# Altium PCB 2019.06.16.master.PcbDoc (part 2 of 5) (continued)
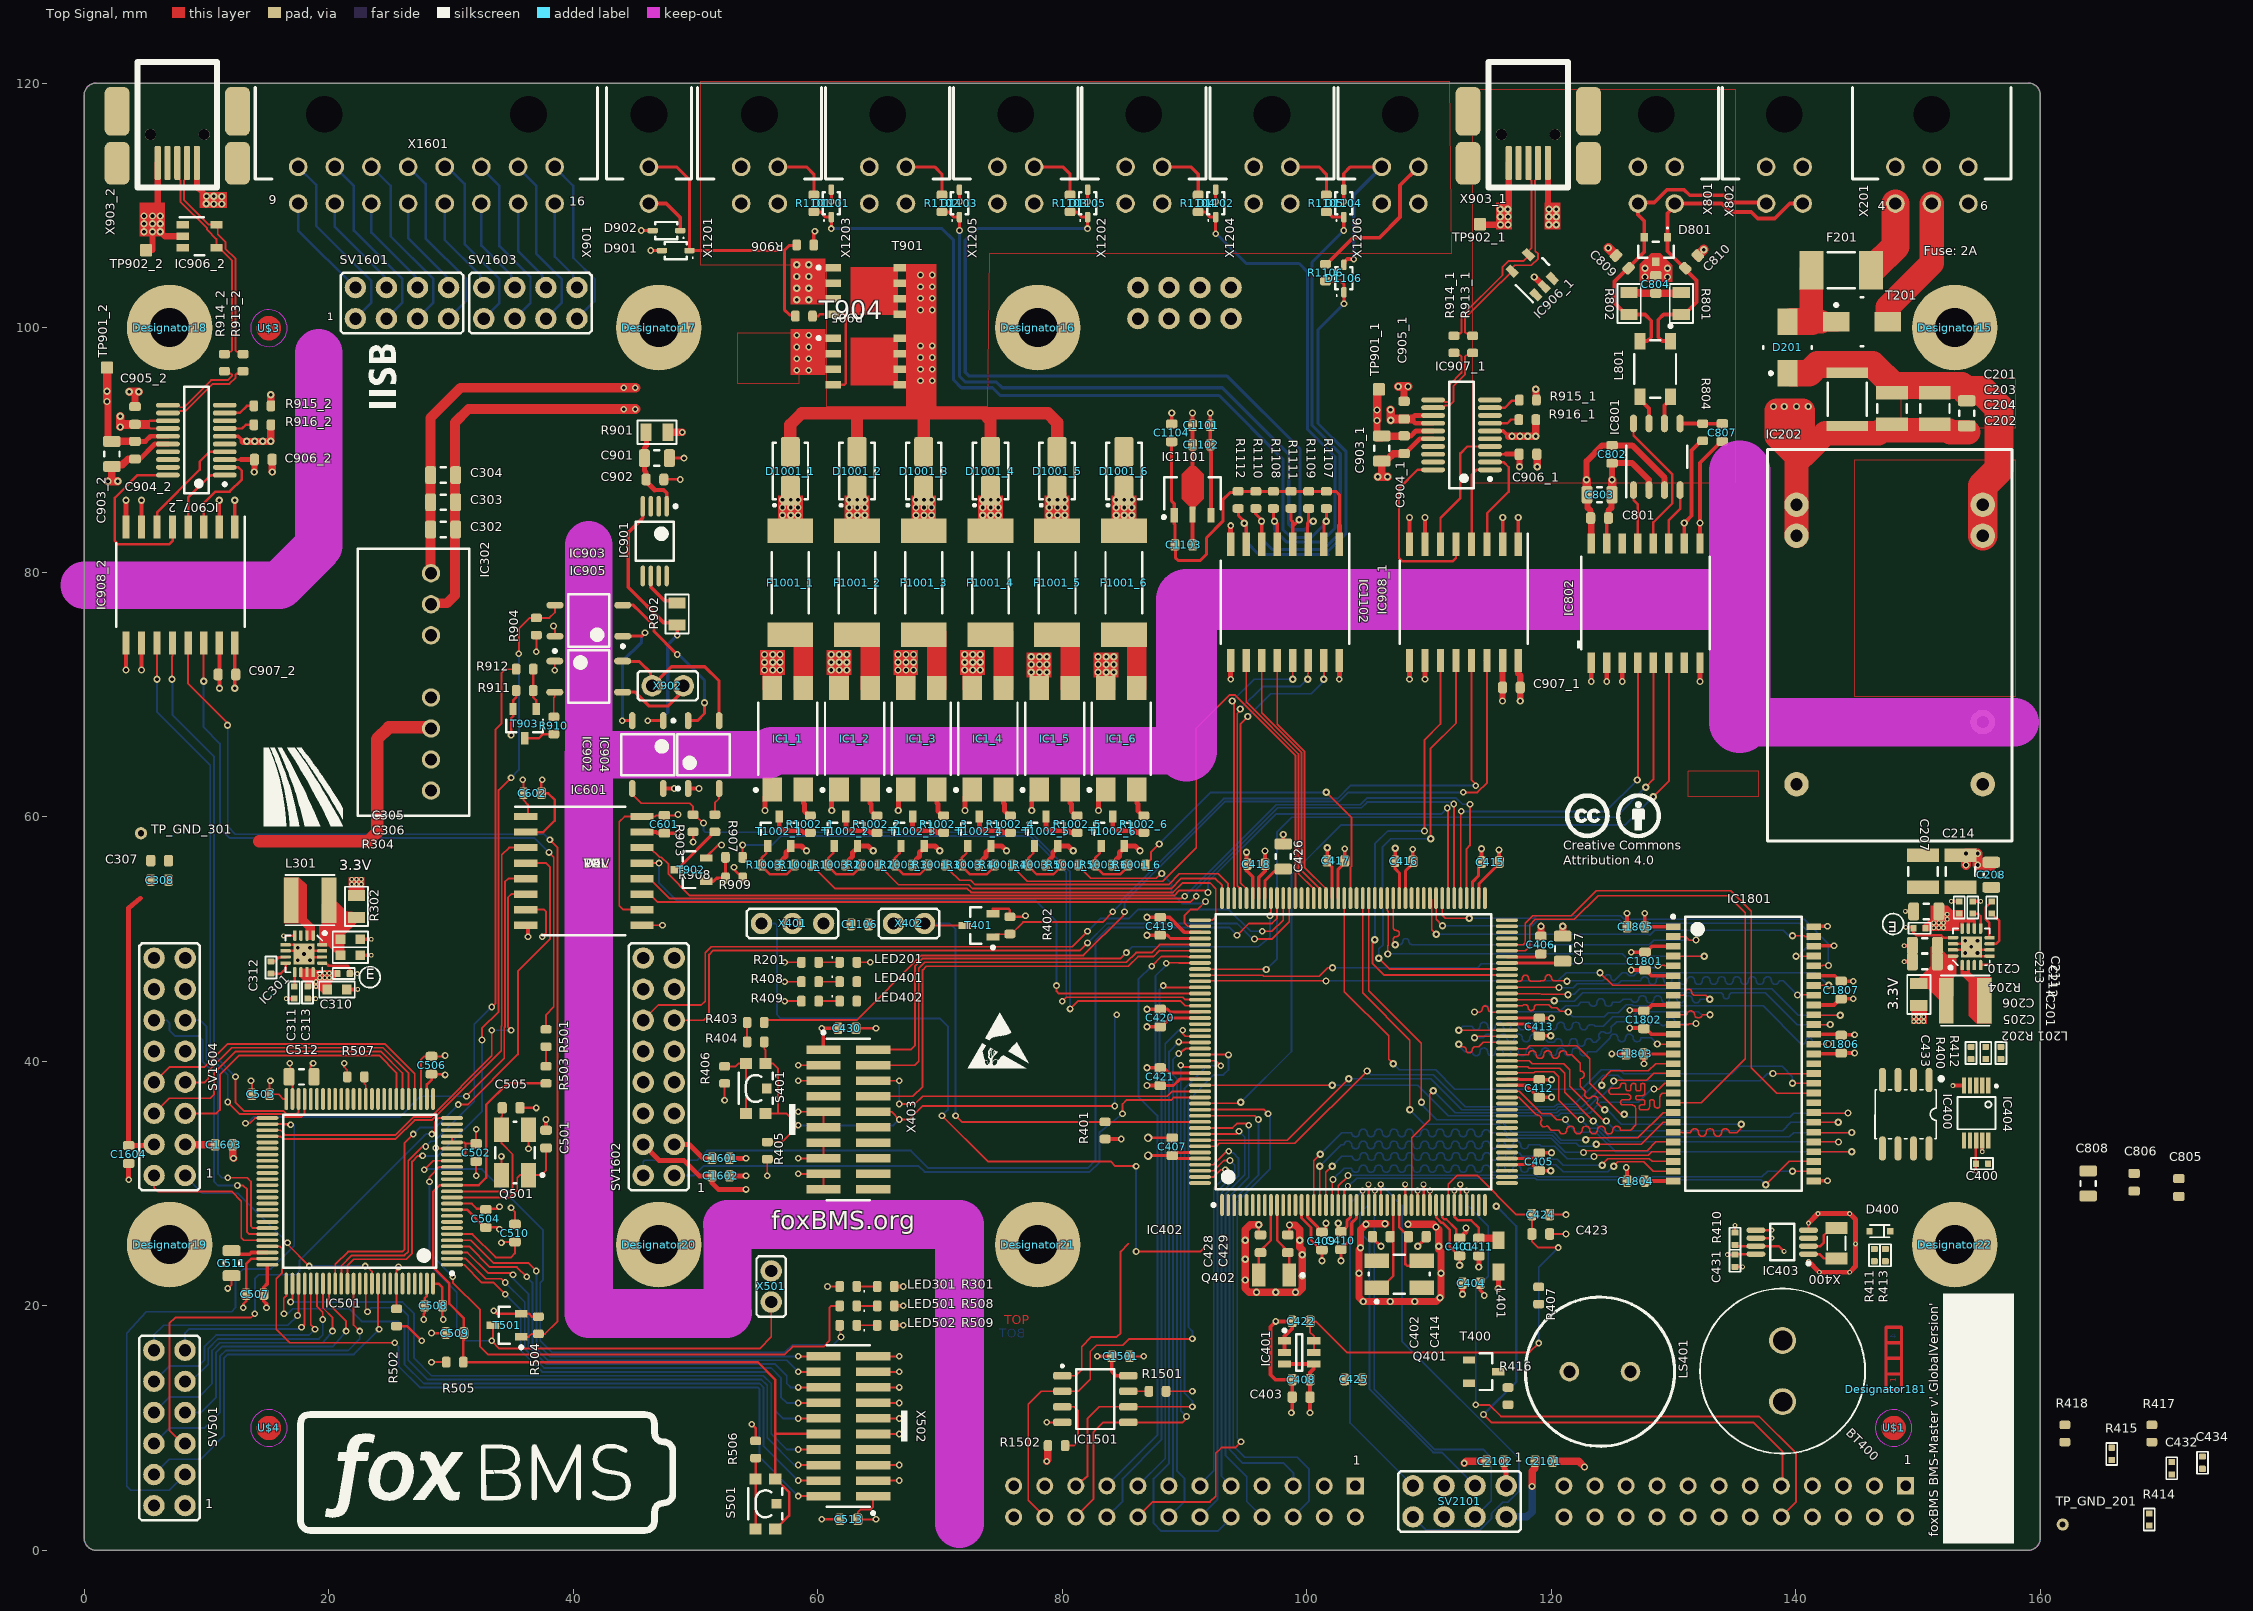
[diagram p0: Top Signal view]
## Part data (continued)
D400: library part DIODE_SCHTKY, "'''BAT41 Schottky diode, small signal''' / - If(avg) = 200mA, Vf(max) = 1V@200mA / - Vr(max) = 100V, Ir = 100nA@50V, 25deg / - SOD-523 package, RoHS compliant", DBDesc="do not populate, RoHS compliant", ID=908, Preffered ID=20995
D801: library part CMP-2000-04916-1, "CAN Bus ESD Protection Diode, 200 W, 24 V, -65 to 150 degC, 3-Pin SOT23, RoHS, Tape and Reel", Breakdown Voltage=27.8V, Breakdown Voltage Max=30.3V, Breakdown Voltage Min=25.4V, Breakdown Voltage Range=25.4Vto30.3V, Capacitance Cd @ Vr Max=17pF, Capacitance Cd @ Vr Typ=11pF, Clamping Voltage @ 8/20µs Max=70V, Diode Case Style=SOT-23, Manufacturer="NXP Semiconductors", Operating Temperature Max=150degC, Operating Temperature Min=-65degC, Operating Temperature Range=-65degCto+150degC, Peak Pulse Current Ippm=3A, Peak Pulse Power=200W, Reverse Stand-Off Voltage Vrwm=24V, Breakover Voltage Min=25.4V, Clamping Voltage Vc Max=70V, Datasheet URL=https://datasheet.ciiva.com/22692/109497-22692467.pdf, Datasheet Version="Rev. 04, 02/2008", Diode Configuration=Bidirectional, Diode Type=BidirectionalTVS, Manufacturer URL=http://www.nxp.com/, No. of Pins=3, Package / Case=SOT-23, SMD Marking=AN, Stand-off Voltage=24V, SVHC=NoSVHC(20-Jun-2013), Termination Type=SMD, TVS Polarity=Bidirectional
D901 D902: "Zener Diode", Breakdown Voltage=12V, Manufacturer="ON Semiconductor", PnP Package=SOD323, Supplier Part Number 1=1431191, Automotive Qualified=True, ComponentLink1Description=Datasheet, ComponentLink1URL=http://www.farnell.com/datasheets/1876691.pdf, Part Name=MM3Z12VT1G, Part Number=MM3Z12VT1G, Supplier 1=Farnell, Supplier 2=Digikey, Supplier 3=Mouser, Supplier Part Number 2=MM3Z12VT1GOSCT-ND, Supplier Part Number 3=863-MM3Z12VT1G
D1001_1 D1001_2 D1001_3 D1001_4 D1001_5 D1001_6: "Standard Recovery Diode, 100 V, 1 A, Single, 1 V, 2 µs, 30 A", Breakdown Voltage=100V, Continuous Forward Current=1A, Manufacturer="ON Semiconductor", Operating Temperature="-65°C - +175°C", Part Name=GF1B, Supplier Part Number 1=1467477, Automotive Qualified=False, ComponentLink1Description=Datasheet, ComponentLink1URL=http://www.farnell.com/datasheets/2303965.pdf, Part Number=d_si_sma_1A, Supplier 1=Farnell
D1101 D1102 D1103 D1104 D1105 D1106: "TVS Diode, CDSOD323 Series, Unidirectional, 5 V, 18.3 V, SOD-323, 2 Pins", Breakdown Voltage=6V, Manufacturer=Bourns, Operating Temperature="-55°C - +150°C", Supplier Part Number 1=2341914, Automotive Qualified=False, ComponentLink1Description=Datasheet, ComponentLink1URL=http://www.farnell.com/datasheets/1845299.pdf, Part Name=CDSOD323-T05, Part Number=CDSOD323-T05, Supplier 1=Farnell
Designator15 Designator16 Designator17: library part Hole_3.2_Iso
Designator181: library part Layer_Marker_4_Layers
F201: "Littlefuse NANO SLO-BLO Fuse 2A 8.20A²s 0452002.MRL", Manufacturer=Littlefuse, Operating Temperature="-55°C - +125°C", Supplier Part Number 1=2383284, Automotive Qualified=False, ComponentLink1Description=Datasheet, ComponentLink1URL=http://www.farnell.com/datasheets/2108446.pdf, Part Number=fuse_2A_0452002.MRL, Supplier 1=Farnell
F1001_1 F1001_2 F1001_3 F1001_4 F1001_5 F1001_6: "Schurter SMD Fuse 4.0A UMT 3403.0172.11", Manufacturer=Schurter, Operating Temperature="-55°C - +125°C", Supplier Part Number 1=486-1253-ND, Automotive Qualified=False, ComponentLink1Description="Catalog Page Digikey", ComponentLink1URL=http://dkc3.digikey.com/PDF/DE2011-DE/P2352.pdf, Part Number=fuse_4A_3403.0172.11, Supplier 1=Digikey, Supplier 2=Mouser, Supplier Part Number 2=693-3403.0172.11
IC1_1 IC1_2 IC1_3 IC1_4 IC1_5 IC1_6: "PhotoMOS GU 1 Form A, 60 V Load Voltage, 1.1 A Continuous Load Current, -40 to 85 degC, 4-Pin DIP(SMT), Tube, RoHS", Continuous Load Current="1.1 A", Load Voltage="60 V", Manufacturer=Panasonic, On Resistance (Typ)="0.34 Ohm", ComponentLink1Description="Manufacturer URL", ComponentLink1URL=http://www3.panasonic.biz/ac/ae/index.jsp, ComponentLink2Description=Datasheet, ComponentLink2URL=http://www3.panasonic.biz/ac/e_download/control/relay/photomos/catalog/semi_eng_gu1a_aqy21_g.pdf, ComponentLink3Description="Package Specification", ComponentLink3URL=http://www3.panasonic.biz/ac/e_download/control/relay/photomos/catalog/semi_eng_dimensions.pdf?f_cd=401560, DatasheetVersion=201404-T, Mounting Technology="Surface Mount", PackageDescription="4-Pin Surface Mount Terminal Package, Body 4.78 x 6.4 mm, Pitch 2.54mm", PackageReference=DIP4(SMT), PackageVersion="ASCTB67E, 04/2014", Packing=Tube, PartNumber=AQY212GHA, Pb-Free=True, RoHS=True, Series="PhotoMOS GU 1 Form A"
IC201 IC301: library part TPS62090, "'''TI TPS62091 Integrated Sync. Buck Converter''' / - fsw=1.4/2.8MHz / - Vin = 2.5-6V, Vout=3.3V, Iout=3A / - 3x3mm QFN-16, RoHS compliant", DBDesc="'''TI TPS62091 Integrated Sync. Buck Converter''' / - fsw=1.4/2.8MHz / - Vin = 2.5-6V, Vout=0.8-Vin, Iout=3A / - 3x3mm QFN-16, RoHS compliant", ID=21555
IC202: "Murata Isolated 6W 4:1 Input Single Output DC/DC Converter", Manufacturer="Murata Power Solutions Inc.", Operating Temperature="-40°C - +85°C", Supplier Part Number 1=811-2109-5-ND, Automotive Qualified=False, ComponentLink1Description=Datasheet, ComponentLink1URL=https://power.murata.com/data/power/ncl/kdc_ncs6.pdf, ComponentLink2Description="3D PDF", ComponentLink2URL=https://power.murata.com/3d/dcdc/mps_dcdc_ncs6s_a.pdf, Part Number=NCS6S1205C, Supplier 1=Digikey
IC302: library part Recom_RS-2405SZ/H3, "Isolating DC/DC Converter", Manufacturer=Recom, Supplier Part Number 1=945-1552-5-ND, Automotive Qualified=False, ComponentLink1Description=Datasheet, ComponentLink1URL=https://www.recom-power.com/pdf/Econoline/RS-S_D_Z.pdf, Part Number=Recom_RS-2405SZ/H3, Supplier 1=Digikey, Supplier 2=Farnell, Supplier 3=Mouser, Supplier Part Number 2=1893731, Supplier Part Number 3=919-RS-2405SZ/H3
IC400: library part "Atmel Serial EEPROM 64K_0", "Microchip 24AA02E48-I/SN, 2kbit (256x8) CMOS MAC-addressable I2C EEPROM, 1.8V, SO-8, non-selectable address (fixed at 1010 ***X), RoHS compliant", DBDesc="Microchip 24AA02E48-I/SN, 2kbit (256x8) CMOS MAC-addressable I2C EEPROM, 1.8V, SO-8, non-selectable address (fixed at 1010 ***X), RoHS compliant", ID=17759
IC401: library part CMP-0784-00366-1, "Micropower, High Accuracy Voltage Reference, 2.5 V Output, 2.7 to 5.5 V Supply, Industrial, 6-pin SOT23 (RJ-6), Reel", Manufacturer="Analog Devices", Operating Temp Range="-40 to 125 degC", Code_JEDEC=MO-178-AB, ComponentLink1Description="Manufacturer URL", ComponentLink1URL=http://www.analog.com/en/index.html, ComponentLink2Description=Datasheet, ComponentLink2URL=http://www.analog.com/static/imported-files/data_sheets/ADR3412_ADR3420_ADR3425_ADR3430_ADR3433_ADR3440_ADR3450.pdf, ComponentLink3Description="Package Specification", ComponentLink3URL=http://www.analog.com/static/imported-files/packages/PKG_PDF/SOT-23(RJ)/RJ_6.pdf, ComponentLink4Description="URL Link1", ComponentLink4URL="Product URL:http://www.analog.com/en/special-linear-functions/voltage-references/adr3425/products/product.html", DatasheetVersion="Rev. B", Max V Supply (V)=5.5, Min V Supply (V)=2.7, Mounting Technology="Surface Mount", PackageDescription="6-Pin Small Outline Transistor Package, Body 2.9 x 1.6 mm, Pitch 0.95 mm", PackageReference=RJ-6, PackageVersion="121608-A, 12/2008", Packing=Reel, PartNumber=ADR3425ARJZ-R2, Ref Out TC (ppm/C)=2.5, Vout=2.5V
IC402: library part CMP-0243-00078-2, "ARM Cortex-M4 32-bit MCU+FPU, 225 DMIPS, 2048 kB Flash, 256 kB Internal RAM, 140 I/Os, 176-pin LQFP, -40 to 85 degC, Tray", I/Os (High Current)=140, Manufacturer=STMicroelectronics, Operating Frequency(F) (Processor speed) (MHz)=180, Supply Voltage(Vcc) max (V)=3.6, Supply Voltage(Vcc) min (V)=1.8, ComponentLink1Description="Manufacturer URL", ComponentLink1URL=http://www.st.com/web/en/home.html, ComponentLink2Description=Datasheet, ComponentLink2URL=http://www.st.com/st-web-ui/static/active/en/resource/technical/document/data_brief/DM00053488.pdf, ComponentLink3Description="Package Specification", ComponentLink3URL=http://www.st.com/st-web-ui/static/active/en/resource/technical/document/datasheet/DM00035129.pdf, Core="ARM Cortex-M4", D/A Converter=2x12-bit, DatasheetVersion="Rev. 2", FLASH Size (Prog) (kB)=2048, Internal RAM Size (kB)=256, Mounting Technology="Surface Mount", PackageDescription="176-Pin Low Profile Quad Flat Package, 24 x 24 mm Body, 0.5 mm Pitch", PackageReference=LQFP176, PackageVersion="Rev. 4, 06/2013", Packing=Tray, PartNumber=STM32F429IIT6
IC501: library part CMP-0243-00030-2, "ARM Cortex-M4 32-bit MCU+FPU, 225 DMIPS, 2048 kB Flash, 256 kB Internal RAM, 82 I/Os, 100-pin LQFP, -40 to 85 degC, Tray", I/Os (High Current)=82, Manufacturer=STMicroelectronics, Operating Frequency(F) (Processor speed) (MHz)=180, Supply Voltage(Vcc) max (V)=3.6, Supply Voltage(Vcc) min (V)=1.8, ComponentLink1Description="Manufacturer URL", ComponentLink1URL=http://www.st.com/web/en/home.html, ComponentLink2Description=Datasheet, ComponentLink2URL=http://www.st.com/st-web-ui/static/active/en/resource/technical/document/data_brief/DM00053488.pdf, ComponentLink3Description="Package Specification", ComponentLink3URL=http://www.st.com/st-web-ui/static/active/en/resource/technical/document/data_brief/DM00071938.pdf, Core="ARM Cortex-M4", D/A Converter=2x12-bit, DatasheetVersion="Rev. 2", FLASH Size (Prog) (kB)=2048, Internal RAM Size (kB)=256, Mounting Technology="Surface Mount", PackageDescription="100-Pin Low Profile Quad Flat Package, 14 x 14 mm Body, 0.5 mm Pitch", PackageReference=LQFP100, PackageVersion="Rev. 1, 06/2013", Packing=Tray, PartNumber=STM32F429VIT6
IC601 IC802 IC906_1 IC906_2 IC908_1 IC908_2 IC1102: "Imported", Manufacturer="Texas Instruments", RefDes=RefDes, TYPE=TYPE
  IC601 IC908_1 IC908_2: PartNumber=ISO7741DWR
  IC802: PartNumber=ISOW7841DWER
  IC906_1 IC906_2: PartNumber=ESDS302DBVR
  IC1102: PartNumber=ISO7760DWR
IC801: "Imported", Manufacturer="Texas Instruments", PartNumber=TCAN1042HGVDQ1, RefDes=RefDes, TYPE=TYPE
IC901: library part CMP-0324-00209-2, "Adjustable Regulator with 3.7 to 38 V Input and 1.2 to 32 V Output, 0 to 125 degC, 8-Pin TSSOP (PW), Green (RoHS & no Sb/Br)", Manufacturer="Texas Instruments", Code_JEDEC=MO-153, ComponentLink1Description=Datasheet, ComponentLink1URL=http://www.ti.com/general/docs/lit/getliterature.tsp?genericPartNumber=LM317L&fileType=pdf, ComponentLink2Description="Package Specification", ComponentLink2URL=http://www.ti.com/litv/pdf/mtss001d, ComponentLink3Description="URL Link1", ComponentLink3URL="Samples URL:http://www.ti.com/product/lm317l#samples", DatasheetVersion=SLCS144D, Eco-Plan="Green (RoHS & no Sb/Br)", Iout(Max)(A)=0.1, Mounting Technology="Surface Mount", PackageDescription="8-Pin Plastic Thin Small Outline Package 3 x 4.4 mm Body ,0.65 mm Pitch", PackageReference=PW8, PackageVersion="revG, Feb-2011", PartId=1, PartNumber=LM317LCPWR, Vin(Max)(V)=38, Vin(Min)(V)=3.7, Vout(Max)(V)=32, Vout(Min)(V)=1.2
IC902 IC903 IC904 IC905: "Single-Pole, Normally Open 4-Pin SOP OptoMOS Relay", Manufacturer=CLARE, Operating Temperature="-40°C - +85°C", Supplier Part Number 1=1653755, Automotive Qualified=False, ComponentLink1Description=Datasheet, ComponentLink1URL=http://www.farnell.com/datasheets/1924621.pdf, Part Name=CPC1008N, Part Number=CPC1008N, Supplier 1=Farnell
IC907_1 IC907_2: library part CMP-0248-00024-2, "USB to Full-Handshake UART Interface Chip, UHCI/OHCI/EHCI Compatible, USB 2.0 Compatible, -40 to +85 degC, 20-Pin SSOP, Pb-Free, Tape and Reel", Manufacturer=FTDI, Code_JEDEC=MO-137-AD, ComponentLink1Description="Manufacturer URL", ComponentLink1URL=http://www.ftdichip.com/, ComponentLink2Description=Datasheet, ComponentLink2URL=http://www.ftdichip.com/Support/Documents/DataSheets/ICs/DS_FT231X.pdf, ComponentLink3Description="FT231X Product Page", ComponentLink3URL=www.ftdichip.com/Products/ICs/FT231X.html, DatasheetVersion="ver 1.2, Feb-2013", PackageDescription="20-Pin Small Outline Package, 8.6 x 3.9 mm Body, 0.635 mm Pitch", PackageReference=SSOP-20, PackageVersion=Feb-13, PartNumber=FT231XS-R, RevisionNote="DatasheetVersion updated to 1.2 Feb-2013"
IC1101: library part CMP-2000-07341-1, "Positive-Voltage Regulator, 100 mA, 0 to 125 degC, 3-Pin SOT-89 (PK), Green (RoHS & no Sb/Br), Tape and Reel", Input Voltage MAX=20V, Input Voltage MIN=7V, Manufacturer=TexasInstruments, Maximum Operating Temperature=+125C, Minimum Operating Temperature=0C, Output Current=100mA, Output Voltage=5V, Package / Case=SOT-89-4, Package Description="3-Pin Small Outline Transistor, Body 4.5 x 2.5 mm, Pitch 1.5 mm", Package Reference=PK0003A, Brand=TexasInstruments, Datasheet URL=http://www.ti.com/lit/ds/symlink/ua78l05.pdf, Datasheet Version="Rev. U, 05/2011", Line Regulation=200mV, Load Regulation=60mV, Manufacturer URL=http://www.ti.com/, Mounting Style=SMD/SMT, Mounting Technology=SurfaceMount, Number of Outputs=1, Output Type=Fixed, Package URL=http://www.ti.com/lit/ml/mhsi001b/mhsi001b.pdf, Packaging=Reel, Polarity=Positive, Product Category=LinearVoltageRegulators, PSRR / Ripple Rejection - Typ=49dB, RoHS=True, Series=UA78L05
IC1501: "2-Mbit serial SPI bus EEPROM", Manufacturer=StMicroelectronics, Operating Temperature="-40°C - +85°C", PnP Package=SOIC-8, Supplier Part Number 1=2849991, Automotive Qualified=False, ComponentLink1Description=Datasheet, ComponentLink1URL=http://www.st.com/resource/en/datasheet/m95m02-dr.pdf, Part Name=M95M02-DRMN6TP, Part Number=M95M02-DRMN6TP, Supplier 1=Farnell, Supplier 2=Digikey, Supplier Part Number 2=497-11405-1-ND
IC1801: "SDRAM, 4M x 16 Bit", Manufacturer="INTEGRATED SILICON SOLUTION (ISSI)", Operating Temperature="-40 / o / C to +85 / o / -40°C - +85°C", PnP Package="TSOP II", Supplier Part Number 1=2253831, Automotive Qualified=True, ComponentLink1Description=Datasheet, ComponentLink1URL=http://www.farnell.com/datasheets/1674895.pdf, Part Name=IS42S16400J-7TLI, Part Number=IS42S16400J-7TLI, Supplier 1=Farnell
JP2201 JP2202: library part CMP-1023-00145-1, "Low Profile Socket Strips, Through-hole, Vertical, -55 to 105 degC, 2.54 mm Pitch, 24-Pin, Female, RoHS", Manufacturer=Samtec, Temperature Range="-55 to 105 degC", ComponentLink1Description="Manufacturer URL", ComponentLink1URL=http://www.samtec.com, ComponentLink2Description=Datasheet, ComponentLink2URL=http://www.samtec.com/documents/webfiles/pdf/SLW.PDF, ComponentLink3Description="Package Specification", ComponentLink3URL=http://www.samtec.com/documents/webfiles/cpdf/SLW-1XX-01-X-X-MKT.pdf, DatasheetVersion=F-214, Mounting Technology=Through-hole, Orientation=Vertical, PackageDescription="Low Profile Socket Strip", PackageReference=SLW-112-01-X-D, PackageVersion="X, 9/1987", PartNumber=SLW-112-01-T-D, Pitch="2.54 mm", RoHS=True
L201 L301: library part INDUCTOR, "1u 3.8A 25mR 20% IFSC-1515 inductor, RoHS compliant", DBDesc="Wurth 74404042010, 1u 3.2A 27mR 30% inductor, RoHS compliant", ID=25863
L401: library part CMP-0686-00649-2, "Chip Ferrite Bead for General Signal lines, 470 Ohm, 700 mA, -55 to 125 degC, 2 x 1.25 x 1.05 mm SMD, Tape and Reel", DC Resistance="0.19 Ohm Max.", Manufacturer=Murata, Operating Temperature Range="-55 to 125 degC", Rated Current="700 mA", ComponentLink1Description="Manufacturer URL", ComponentLink1URL=http://www.murata.com/, ComponentLink2Description=Datasheet, ComponentLink2URL=http://www.murata.com/products/catalog/pdf/c31e.pdf, ComponentLink3Description="Package Specification", ComponentLink3URL=http://www.murata.com/products/catalog/pdf/c31e.pdf, DatasheetVersion=08/2013, Impedance (at 100 MHz)="470 Ohm +/- 25%", Mounting Technology="Surface Mount", PackageDescription="2-Pin Chip, Body 2 x 1.25 mm", PackageReference=BLM21_H1050-2, Packing="Tape and Reel", PartNumber=BLM21AG471SN1J
L801: library part CMP-2000-05391-1, "Common-Mode Choke for CAN Bus System, 51uH, 50 V DC, -40 to 150 degC, 4-Pin SMD, RoHS, Tape and Reel", Current=200mA, DC Resistance (DCR)=1OhmMax, Inductance=51µH, Manufacturer=TDK, Operating Temperature=-40degC~150degC, Package / Case=Horizontal,4PCPad, Standard Package=1, Catalog Drawings="(ACM4532,ACT45B)-xxx-2P_Top /  / ACT45B-xxx-2P_Side /  / ACT45B-xxx-2P_Bottom", Category=Filters, Datasheet URL=https://datasheet.ciiva.com/22726/1649098-22726290.pdf, Datasheet Version=Aug-12, Dynamic Catalog=ACTSeries, Family=CommonModeChokes, Featured Product=FerriteChipCommon-ModeFilterforCAN-BUSSystem, Filter Type=Data,SignalLine, Impedance=2.8kOhm, Manufacturer URL=http://www.tdk.com/, Mounting Type=SurfaceMount, Number of Lines=2, Other Drawings="ACM3225SeriesSchematic /  / ACT45B-xxx-2P_Footprint", Other Names=445-3958-6, Packaging=Digi-Reel, Series=ACT
LED201 LED301: library part gen_LED_0603_orange, "LED", Breakdown Voltage=5V, Continuous Forward Current=20mA, Forward Voltage @ 20mA=2.2V, PnP Package=LED_0603, Supplier Part Number 1=2099222, Automotive Qualified=False, Color=orange, Part Number=gen_LED_0603_orange, Supplier 1=Farnell
LED401 LED501: library part gen_LED_0603_red, "LED", Breakdown Voltage=5V, Continuous Forward Current=20mA, Forward Voltage @ 20mA=2V, PnP Package=LED_0603, Supplier Part Number 1=2099221, Automotive Qualified=False, Color=red, Part Number=gen_LED_0603_red, Supplier 1=Farnell
LED402 LED502: library part gen_LED_0603_green, "LED", Breakdown Voltage=5V, Continuous Forward Current=20mA, Forward Voltage @ 20mA=2.2V, PnP Package=LED_0603, Supplier Part Number 1=2099223, Automotive Qualified=False, Color=green, Part Number=gen_LED_0603_green, Supplier 1=Farnell
LS401: library part Speaker, "Loudspeaker", DBDesc="BUZZER PIEZO 4KHZ 12.2MM PC MNT, RoHS compliant", ID=17009
Q401 Q501: library part CMP-1774-00004-1, "SMD Seam Sealing Crystal, 8 MHz, +/- 30 ppm, 18 pF, -10 to 70 degC, 4-Pin SMD, RoHS, Tape and Reel", Case\Package=0603, Case Code (Metric)=1608, Max Operating Temperature="155 degC", Min Operating Temperature="-55 degC", Package Quantity=5000, Power Rating="100 mW", Resistance="150 Ohm", Tolerance=1%, Voltage Rating="50 V", Case Code (Imperial)=0603, ComponentLink1Description=Datasheet, ComponentLink1URL=http://www.txccorp.com/download/products/quartz_crystals/2015TXC_7B_19.pdf, DatasheetVersion=Jul-15, Height="0.45 mm", Length="1.6 mm", Mount="Surface Mount", PackageDescription="4-Pin Surface Mount Device, Body 5 x 3.2 mm, Pitch 3.7 mm", PackageReference=7B-4, Packaging="Tape and Reel", Pins=2, REACH SVHC="No SVHC", RoHSCompliant=true, Voltage Rating (DC)="50 V", Width="0.8 mm"
Q402: library part CMP-0447-00001-2, "Crystal, 32.768 kHz, 12.5 pF, -40 to 85 degC, SMD Low Profile 3.2 x 1.5 x 0.9 mm, Tape and Reel", Equivalent Series Resistance (R1)="70 Kohm", Frequency="32.768 kHz", Frequency Tolerance @+25degC="+/- 20 ppm", Insulation Resistance (Min)="500 Mohm", Load Capacitance (CL)="12.5 pF", Manufacturer=Abracon, Operating Temperature="-40 to 85 degC", Q Value (Type)=30000, Shunt Capacitance (C0)="0.9 to 1.2 pF", ComponentLink1Description="Manufacturer URL", ComponentLink1URL=http://www.abracon.com/, ComponentLink2Description=Datasheet, ComponentLink2URL=http://www.abracon.com/Resonators/ABS07.pdf, ComponentLink3Description="Package Specification", ComponentLink3URL=http://www.abracon.com/Resonators/ABS07.pdf, DatasheetVersion=04.03.13, Drive Level (Type)="0.1 uW", Mounting Technology="Surface Mount", Operation Mode="Flexural Mode (Tuning Fork)", PackageDescription="2-Pin Hand Drawn, Body 3.2x1.5mm, Pitch 2.5mm", PackageReference=ABS07-2, Packing="Tape and Reel", PartNumber=ABS07-32.768KHz-T
R201 R301 R408 R409 R508 R509: library part gen_R_130R_0603, "SMD Resistor 130R 0603", Case EIA=0603, Case Metric=1608, Maximum Working Voltage=75V, Operating Temperature="-55°C - +155°C", PnP Package=R_0603, Power=0.1W, Supplier Part Number 1=2379959, Tolerance=1%, Automotive Qualified=False, Part Number=gen_R_130R_0603, PnP Value=130R, Resistance=130R, Series="E24, E96", Supplier 1=Farnell
R202 R204 R302 R304 R400 R410 R411 R412 R413 R414 R415: library part Res2, "Resistor"
  R202 R302: DBDesc="10m 0805 0-350ppm 5% 250mW current sense resistor, RoHS compliant", ID=21805
  R204 R304: DBDesc="10k 1% 63mW 0402 thick-film resistor, RoHS compliant", ID=13032
  R400 R410 R412: DBDesc="100k 1% 63mW 0402 AEC-Q200 qualified metal-film resistor, RoHS compliant", ID=21290
  R411: DBDesc="do not populate, RoHS compliant", ID=908, Preffered ID=12508
  R413: DBDesc="10M 1% 63mW  0402 thick-film resistor, RoHS compliant", ID=8887
  R414 R415: DBDesc="4.7k 1% 63mW 0402 thick-film resistor, RoHS compliant", ID=13036
R401 R402 R405 R407 R418 R502 R504 R505 R507 R903 R904 R908 R911 R1003_1 R1003_2 R1003_3 R1003_4 R1003_5 R1003_6 R1107 R1108 R1109 R1110 R1111 R1112 R1501 R1502: library part gen_R_10k_0603, "SMD Resistor 10k 0603", Case EIA=0603, Case Metric=1608, Maximum Working Voltage=75V, Operating Temperature="-55°C - +155°C", PnP Package=R_0603, Power=0.1W, Supplier Part Number 1=2073349, Tolerance=1%, Automotive Qualified=False, Part Number=gen_R_10k_0603, PnP Value=10k, Resistance=10k, Series="E24, E96", Supplier 1=Farnell
R403 R406 R501 R506 R915_1 R915_2 R916_1 R916_2: library part gen_R_0R_0603, "SMD Resistor 0R 0603", Case EIA=0603, Case Metric=1608, Maximum Working Voltage=75V, Operating Temperature="-55°C - +155°C", PnP Package=R_0603, Power=0.1W, Supplier Part Number 1=2073345, Automotive Qualified=False, Part Number=gen_R_0R_0603, PnP Value=0R, Resistance=0R, Series=Jumper, Supplier 1=Farnell
R404 R503: library part gen_R_680R_0603, "SMD Resistor 680R 0603", Case EIA=0603, Case Metric=1608, Maximum Working Voltage=75V, Operating Temperature="-55°C - +155°C", PnP Package=R_0603, Power=0.1W, Supplier Part Number 1=2797303, Tolerance=1%, Automotive Qualified=False, Part Number=gen_R_680R_0603, PnP Value=680R, Resistance=680R, Series=E24, Supplier 1=Farnell
R416: library part gen_R_10k_0603, "SMD Resistor 1k 0603", Case EIA=0603, Case Metric=1608, Maximum Working Voltage=75V, Operating Temperature="-55°C - +155°C", Part Number=gen_R_1k_0603, PnP Package=R_0603, Power=0.1W, Tolerance=1%, Automotive Qualified=False, PnP Value=1k, Resistance=1k, Series="E24, E96"
R417 R901 R905 R909 R912 R1001_1 R1001_2 R1001_3 R1001_4 R1001_5 R1001_6: library part gen_R_10R_0603, "SMD Resistor 10R 0603", Case EIA=0603, Case Metric=1608, Maximum Working Voltage=75V, Operating Temperature="-55°C - +155°C", PnP Package=R_0603, Power=0.1W, Supplier Part Number 1=2073361, Tolerance=1%, Automotive Qualified=False, Part Number=gen_R_10R_0603, PnP Value=10R, Resistance=10R, Series="E24, E96", Supplier 1=Farnell
R801 R802: library part gen_R_62R_0603, "SMD Resistor 62R 0603", Case EIA=0805, Case Metric=1608, Maximum Working Voltage=75V, Operating Temperature="-55°C - +155°C", PnP Package=R_0603, Power=0.1W, Supplier Part Number 1=2073943, Tolerance=1%, Automotive Qualified=False, Part Number=gen_R_62R_0603, PnP Value=59, Resistance=59, Series=E24, Supplier 1=Farnell
R804 R907 R910 R1002_1 R1002_2 R1002_3 R1002_4 R1002_5 R1002_6: library part gen_R_430R_0603, "SMD Resistor 430R 0603", Case EIA=0603, Case Metric=1608, Maximum Working Voltage=75V, Operating Temperature="-55°C - +155°C", PnP Package=R_0603, Power=0.1W, Supplier Part Number 1=2074259, Tolerance=1%, Automotive Qualified=False, Part Number=gen_R_430R_0603, Series=E24, Supplier 1=Farnell
  R804: PnP Value=0, Resistance=0
  R907 R910 R1002_1 R1002_2 R1002_3 R1002_4 R1002_5 R1002_6: PnP Value=430R, Resistance=430R
R902: library part gen_R_120R_0603, "SMD Resistor 120R 0603", Case EIA=0603, Case Metric=1608, Maximum Working Voltage=75V, Operating Temperature="-55°C - +155°C", PnP Package=R_0603, Power=0.1W, Supplier Part Number 1=2073369, Tolerance=1%, Automotive Qualified=False, Part Number=gen_R_120R_0603, PnP Value=120R, Resistance=120R, Series=E24, Supplier 1=Farnell
R906: library part gen_R_330R_0603, "SMD Resistor 330R 0603", Case EIA=0603, Case Metric=1608, Maximum Working Voltage=75V, Operating Temperature="-55°C - +155°C", PnP Package=R_0603, Power=0.1W, Supplier Part Number 1=2692155, Tolerance=1%, Automotive Qualified=False, Part Number=gen_R_330R_0603, PnP Value=330R, Resistance=330R, Series=E24, Supplier 1=Farnell
R913_1 R913_2 R914_1 R914_2: library part gen_R_27R_0603, "SMD Resistor 27R 0603", Case EIA=0603, Case Metric=1608, Maximum Working Voltage=75V, Operating Temperature="-55°C - +155°C", PnP Package=R_0603, Power=0.1W, Supplier Part Number 1=2059559, Tolerance=1%, Automotive Qualified=False, Part Number=gen_R_27R_0603, PnP Value=27R, Resistance=27R, Series=E24, Supplier 1=Farnell
R1101 R1102 R1103 R1104 R1105 R1106: library part gen_R_47R_0603, "SMD Resistor 47R 0603", Case EIA=0603, Case Metric=1608, Maximum Working Voltage=75V, Operating Temperature="-55°C - +155°C", PnP Package=R_0603, Power=0.1W, Supplier Part Number 1=2303030, Tolerance=1%, Automotive Qualified=False, Part Number=gen_R_47R_0603, PnP Value=47R, Resistance=47R, Series=E24, Supplier 1=Farnell
S401 S501: "Microminiature Tactile Switch", Manufacturer="CK Components", Operating Temperature="-40°C - +85°C", Supplier Part Number 1=1201424, Automotive Qualified=False, ComponentLink1Description=Datasheet, ComponentLink1URL=http://www.farnell.com/datasheets/1685525.pdf, Part Number=KMR221GLFS, Supplier 1=Farnell, Supplier 2=Digikey, Supplier 3=Mouser, Supplier Part Number 2=401-1426-1-ND, Supplier Part Number 3=611-KMR211G-LFS
SV501: "Board-To-Board Connector, Vertical, 2.54 mm, 12 Contacts, Header, TSW Series, Through Hole, 2 Rows", Manufacturer=Samtec, Operating Temperature="-55°C - +125°C", Part Name=TSW-106-07-G-D, Rated Voltage="500V AC mated with SSW", Supplier Part Number 1=2025252, Automotive Qualified=False, Circuits=12, ComponentLink1Description=Datasheet, ComponentLink1URL=http://www.farnell.com/datasheets/1992055.pdf?_ga=2.196729640.569325269.1503285096-1413671594.1503025027, Part Number=samtec_TSW-106-07-G-D, Supplier 1=Farnell
SV901: "Board-To-Board Connector, Dual, 2.54 mm, 8 Contacts, Receptacle, SLW Series, Through Hole, 2 Rows", Manufacturer=Samtec, Operating Temperature="-55°C - +125°C", Part Name=SLW-104-01-G-D, Rated Current=5.2A, Rated Voltage="406VAC Voltage rating", Supplier Part Number 1=1668094, Automotive Qualified=False, Circuits=8, ComponentLink1Description=Datasheet, ComponentLink1URL=http://www.farnell.com/datasheets/1927699.pdf, Part Number=samtec_SLW-104-01-G-D, Supplier 1=Farnell
SV1601 SV1603 SV2101: "Board-To-Board Connector, Vertical, 2.54 mm, 8 Contacts, Header, TSW Series, Through Hole, 2 Rows", Manufacturer=Samtec, Operating Temperature="-55°C - +125°C", Part Name=TSW-104-07-G-D, Rated Voltage="500V AC mated with SSW", Supplier Part Number 1=2025250, Automotive Qualified=False, Circuits=8, ComponentLink1Description=Datasheet, ComponentLink1URL=http://www.farnell.com/datasheets/1992055.pdf, Part Number=samtec_TSW-104-07-G-D, Supplier 1=Farnell
SV1602 SV1604: "Board-To-Board Connector, Vertical, 2.54 mm, 16 Contacts, Header, TSW Series, Through Hole, 2 Rows", Manufacturer=Samtec, Operating Temperature="-55°C - +125°C", Part Name=TSW-108-07-G-D, Rated Voltage="500V AC mated with SSW", Supplier Part Number 1=2578721, Automotive Qualified=False, Circuits=16, ComponentLink1Description=Datasheet, ComponentLink1URL=http://www.farnell.com/datasheets/2061825.pdf, Part Number=samtec_TSW-108-07-G-D, Supplier 1=Farnell
T201: "BIDIRECTIONAL THYRISTOR OVERVOLTAGE PROTECTOR", Manufacturer=Bourns, Operating Temperature="-40°C - +150°C", Supplier Part Number 1=TISP4040H1BJR-SCT-ND, Automotive Qualified=False, ComponentLink1Description=Datasheet, ComponentLink1URL=http://www.bourns.com/data/global/pdfs/TISP40xxH1BJ.pdf, Part Number=TISP4040H1BJR-S, Supplier 1=Digikey
T400 T902 T903 T1002_1 T1002_2 T1002_3 T1002_4 T1002_5 T1002_6: "MOSFET-Transistor, n-Kanal, 1.6 A, 100 V, 0.178 ohm, 10 V, 2.5 V", Manufacturer=Infineon, Maximum Continous Drain Current (25°C)=1.6A, Maximum Drain-Source Voltage=100V, Operating Temperature="-55°C - +150°C", Part Name=NMOS, Supplier Part Number 1=1783928, Automotive Qualified=False, ComponentLink1Description="Datasheet URL", ComponentLink1URL=http://www.farnell.com/datasheets/491501.pdf, Part Number=IRLML0100TRPBF, R_DS(on)=190m, Supplier 1=Farnell, Total Gate Charge=2.5nC
T401 T501: library part CMP-1099-00028-1, "P-Channel SIPMOS Small-Signal-Transistor, -60 V VDS, -0.17 A ID, -55 to 150 degC, PG-SOT23, Reel, Green", Manufacturer=Infineon, ComponentLink1Description="Manufacturer URL", ComponentLink1URL=http://www.infineon.com/, ComponentLink2Description=Datasheet, ComponentLink2URL=http://www.infineon.com/dgdl/BSS84P_Rev2.7%5B1%5D.pdf?folderId=db3a304314dca38901154a72e3951a65&fileId=db3a304330f68606013118ac7a9b4549, ComponentLink3Description="Package Specification", ComponentLink3URL=http://www.infineon.com/dgdl/SOT23-Package_Overview.pdf?folderId=db3a30431936bc4b0119532290053c66&fileId=db3a30431936bc4b0119533468123c85, DatasheetVersion="Rev. 2.7", Green=TRUE, Halogen-free=TRUE, ID (max)="-0.17 A", IDpuls (max)="-0.68 A", Mounting Technology="Surface Mount", PackageDescription="3-Pin Small Outline Transistor Package, 2.9 x 1.3 mm Body, 0.95 mm Pitch", PackageReference=PG-SOT23, PackageVersion=Apr-08, Packing=Reel, PartNumber=BSS84P, Pto t (max)="0.36 W", QG="1 nC", RDS (on) (max)="8,000 mOhm", RDS (on) (max) (@4.5V)="12,000 mOhm", Rth="350 K/W", VDS (max)="-60 V", VGS(th) (max)="-2 V", VGS(th) (min)="-1 V"
T901 T904: library part CMP-2000-07063-1, "N-Channel 60V 30A (Tc) 45W (Tc) Surface Mount PowerPAK® SO-8 -55°C ~ 175°C (TJ)", Ciss - Input Capacitance=1600pF, Id - Continuous Drain Current=30A, Manufacturer=Vishay, Maximum Operating Temperature=+175C, Minimum Operating Temperature=-55C, Package / Case=SO-8, Package Description="8-Pin Surface Mount Device, Body 6.15 x 5.155 mm, Pitch 1.27 mm", Package Reference=POWERPAKSO-8, Pd - Power Dissipation=45W, Rds On - Drain-Source Resistance=12.5mOhms, Vds - Drain-Source Breakdown Voltage=60V, Vgs - Gate-Source Breakdown Voltage=20V, Vgs th - Gate-Source Threshold Voltage=4.5V, Brand=VishaySemiconductors, ComponentLink1Description=SQJA60EP-T1_GE3, ComponentLink1URL=https://www.digikey.com.au/product-detail/en/vishay-siliconix/SQJA60EP-T1_GE3/SQJA60EP-T1_GE3CT-ND/7622832, Configuration=Single, Datasheet URL=http://www.vishay.com/docs/75020/sqja60ep.pdf, Datasheet Version="Rev. A, 06/2012", Factory Pack Quantity=3000, Fall Time=9ns, Forward Transconductance - Min=19S, Manufacturer URL=http://www.vishay.com/, Mounting Style=SMD/SMT, Mounting Technology=SurfaceMount, Packaging=Reel, Part Number=SQJA60EP-T1_GE3, Product Category=MOSFET, Qg - Gate Charge=30nC, Rise Time=13ns, RoHS=Details, Series=SQJAxxEP, Tradename="TrenchFET® power MOSFET", Transistor Polarity=N-Channel, Typical Turn-Off Delay Time=16ns
TP901_1 TP901_2 TP902_1 TP902_2: "Testpoint, square", Part Number=Testpoint_Square
TP_GND_201 TP_GND_301: library part Testpoint_Round_Via, "Testpoint, Via, round", Part Number=Testpoint_Round_Via
U$1 U$3 U$4: library part FIDUCIAL_1MM, PackageName=FIDUCIAL_1MM
X201: "Micro-Fit 3.0 Right Angle Header, 3.00mm Pitch, Dual Row, 6 Circuits, with Snap-in Plastic Peg PCB Lock, Tin, Glow Wire Capable, Black, 43045-0600", Manufacturer=Molex, Operating Temperature="-40°C - +105°C", Part Name=MicroFit, Rated Current=8.5A, Rated Voltage=600V, Supplier Part Number 1=1012252, Automotive Qualified=False, Circuits=6, Part Number=molex_microfit_3_03x2_THT, Supplier 1=Farnell
X400: library part CRYSTAL1, DBDesc="32.768kHz ABS07-120, 20ppm, 6pF load, 60k ESR, 3.2x1.5mm crystal, RoHS compliant", ID=22914
X401: "Board-To-Board Connector, Vertical, 2.54 mm, 3 Contacts, Header, TSW Series, Through Hole, 1 Row", Manufacturer=Samtec, Operating Temperature="-55°C - +125°C", Part Name=TSW-103-07-G-S, Supplier Part Number 1=2505045, Automotive Qualified=False, Circuits=3, ComponentLink1Description=Datasheet, ComponentLink1URL=http://www.farnell.com/datasheets/1796313.pdf, Part Number=samtec_TSW-103-07-G-S, Supplier 1=Farnell
X402 X501 X902: "Board-To-Board Connector, Vertical, 2.54 mm, 2 Contacts, Header, TSW Series, Through Hole, 1 Row", Manufacturer=Samtec, Operating Temperature="-55°C - +125°C", Part Name=TSW-102-07-G-S, Supplier Part Number 1=2505044, Automotive Qualified=False, Circuits=2, ComponentLink1Description=Datasheet, ComponentLink1URL=http://www.farnell.com/datasheets/1796313.pdf, Part Number=samtec_TSW-102-07-G-S, Supplier 1=Farnell
X403 X502: library part samtec_FTSH-110-01-L-DV-007-K-P, "Board-To-Board Connector, ARM Cortex Debug Header 20 Pin", Manufacturer=Samtec, Operating Temperature="-55°C - +125°C", Supplier Part Number 1=SAM11268-ND, Automotive Qualified=False, Circuits=20, Part Name=FTSH-110-01-L-DV-007-K-P, Part Number=samtec_FTSH-110-01-L-DV-007-K-P, Supplier 1=Digikey, Supplier 2=Avnet, Supplier Part Number 2=FTSH-110-01-L-DV-007-K-P
X801 X802 X1201 X1202 X1203 X1204 X1205 X1206: "Micro-Fit 3.0 Right Angle Header, 3.00mm Pitch, Dual Row, 4 Circuits, with Snap-in Plastic Peg PCB Lock, Tin, Glow Wire Capable, Black, 43045-0400", Manufacturer=Molex, Operating Temperature="-40°C - +105°C", Part Name=MicroFit, Rated Current=8.5A, Rated Voltage=600V, Supplier Part Number 1=9733019, Automotive Qualified=False, Circuits=4, Part Number=molex_microfit_3_02x2_THT, Supplier 1=Farnell
X901: "Micro-Fit 3.0 Right Angle Header, 3.00mm Pitch, Dual Row, 2 Circuits, with Snap-in Plastic Peg PCB Lock, Tin, Glow Wire Capable, Black, 43045-0200", Manufacturer=Molex, Operating Temperature="-40°C - +105°C", Part Name=MicroFit, Rated Current=8.5A, Rated Voltage=600V, Supplier Part Number 1=1012251, Automotive Qualified=False, Circuits=2, Part Number=molex_microfit_3_01x2_THT, Supplier 1=Farnell
X903_1 X903_2: library part CMP-0411-00002-1, "USB, MINI, SMD, RA KME04-USBMU03A01", Manufacturer=Molex, ComponentLink1Description="Manufacturer URL", ComponentLink1URL=http://www.molex.com/, ComponentLink2Description=Datasheet, ComponentLink2URL=http://www.molex.com/pdm_docs/sd/675031020_sd.pdf, DatasheetVersion="Rev F, 06/2009", Mounting Technology="Surface Mount", PackageDescription="Mini USB Connector, SMT, Righer Angle", PackageReference=67503-1020, PartNumber=67503-1020, Terminal Pitch="0.8 mm"
X1601: "Micro-Fit 3.0 Right Angle Header, 3.00mm Pitch, Dual Row, 16 Circuits, with Snap-in Plastic Peg PCB Lock, Tin, Glow Wire Capable, Black, 43045-1600", Manufacturer=Molex, Operating Temperature="-40°C - +105°C", Part Name=MicroFit, Rated Current=8.5A, Rated Voltage=600V, Supplier Part Number 1=9961380, Automotive Qualified=False, Circuits=16, Part Number=molex_microfit_3_08x2_THT, Supplier 1=Farnell
IC403: DBDesc="DS1339U-33+ RTC I2C w/alarm USOP-8, RoHS compliant", ID=11376
IC404: DBDesc="Linear LTC2990IMS quad I2C voltage, current and temperature monitor, -40°C to +85°C, 10-pin MSOP, RoHS compliant", ID=19355

## Free pads (board coordinates)
  round 0.4 hole 0.2: DC(16.533,45.118) DC(18.933,45.118) DC(18.969,46.107) DC(18.969,46.507) DC(19.269,47.207) DC(19.269,46.807) DC(19.669,46.807) DC(19.669,47.207) DC(20.069,46.807) DC(20.069,47.207) DC(21.883,54.468) DC(21.883,54.868) DC(22.283,54.468) DC(22.383,45.868) DC(22.683,54.468) DC(22.683,54.868) DC(23.483,48.668) DC(23.483,49.968) DC(148.856,48.147) DC(148.856,49.447) DC(148.965,52.247) DC(149.656,43.247) DC(149.656,43.647) DC(150.056,43.647) DC(150.456,43.247) DC(150.456,43.647) DC(151.28,50.907) DC(151.28,51.307) DC(151.68,50.907) DC(151.68,51.307) DC(152.075,51.307) DC(152.075,50.907) DC(152.375,51.619) DC(152.375,52.019) DC(152.72,53.073) DC(152.846,38.009) DC(155.12,53.073) DC(155.246,32.609)
  round 0.4 hole 0.2 mask+0.1: DC(22.283,54.868) DC(150.056,43.247)

## Via types
v1: diameter 0.6, hole 0.3, Top Signal to Bottom Signal, 370 vias
v2: diameter 0.55, hole 0.3, Top Signal to Bottom Signal, tented both sides, 291 vias
v3: diameter 0.4, hole 0.2, Top Signal to Bottom Signal, tented both sides, 17 vias
v4: diameter 0.5, hole 0.3, Top Signal to Bottom Signal, 12 vias
v5: diameter 0.7, hole 0.4, Top Signal to Bottom Signal, 2 vias

## Nets (pads, with @x,y where several pads share a name; then routed paths per layer and width w, separated by ;. In a path a pad name is that pad's centre, name@x,y a point inside that pad or via, vN(x,y) a via of type N, cw(c..) or ccw(c..) an arc to the next point about the centre after c; other vN are vias at no path point)
+3.3V_0: C400.1 C401.1 C403.1 C404.1 C405.1 C406.1 C407.1 C408.1 C409.1 C410.1 C412.1 C413.1 C415.1 C416.1 C417.1 C418.1 C419.1 C420.1 C421.1 C430.1 C431.1 C601.2 C805.2 C806.2 C808.1 C907_1.1 C1106.1 C1501.2 C1601.1 C1801.1 C1802.1 C1803.1 C1804.1 C1805.1 C1806.1 C1807.1 C2101.2 D400.1 IC1_1.1 IC1_2.1 IC1_3.1 IC1_4.1 IC1_5.1 IC1_6.1 IC400.8 IC401.3 IC401.4 IC402.15 IC402.23 IC402.36 IC402.49 IC402.62 IC402.72 IC402.82 IC402.91 IC402.103 IC402.114 IC402.127 IC402.136 IC402.149 IC402.159 IC402.171 IC402.172 IC403.8 IC404.2 IC601.10 IC601.16 IC802.1 IC902.4 IC904.1 IC908_1.10 IC908_1.16 IC1102.16 IC1501.8 IC1801.1 IC1801.3 IC1801.9 IC1801.14 IC1801.27 IC1801.43 IC1801.49 JP2201.2 JP2201.4 JP2202.2 JP2202.4 L401.1 pad.DC@149.656,43.247 pad.DC@149.656,43.647 pad.DC@150.056,43.247 pad.DC@150.056,43.647 pad.DC@150.456,43.247 pad.DC@150.456,43.647 R202.1 R402.2 R405.2 R410.2 R414.2 R415.2 R1501.2 R1502.2 SV1602.3 SV2101.2 T401.2 X402.1 X403.1 | length 161.7
  Top Signal w0.152: IC601.10@45.453,52.392 44.111,52.392 43.773,52.729 43.773,59.583 44.202,60.012 IC601.16@45.628,60.012 46.705,60.012 46.795,60.102 C601.2@47.466,60.102 48.509,60.102 v1(48.578,60.17) ; v2(55.88,30.624) R405.2@55.88,31.838 ; R1501.2@88.489,13.003 v2(90.646,13.003)
  Top Signal w0.2: IC402.36@110.572,28.234 110.572,27.232 111.031,26.774 111.136,26.774 111.681,26.229 111.681,24.846 112.446,24.082 C401.1@112.499,24.082 v1(112.499,23.316) ; v3(134.4,24.181) C431.1@135.024,24.181 ; C431.1@135.024,24.227 135.831,24.227 IC403.8@136.734,24.227 ; R410.2@135.024,25.981 v3(135.024,26.563)
  Top Signal w0.203: T401.2@74.334,52.053 74.334,52.454 75.613,52.454 75.724,52.343 R402.2@75.724,51.803 76.9,51.803 v2(76.994,51.896)
  Top Signal w0.25: v5@87.279,32.283 88.41,32.283 88.413,32.28 C407.1@88.99,32.28 ; C421.1@88.011,38.01 89.095,38.01 89.619,38.534 IC402.159@91.273,38.534 ; C420.1@88.011,42.809 88.111,42.809 88.836,43.534 IC402.149@91.273,43.534 ; C419.1@88.011,50.309 88.588,50.309 88.863,50.034 IC402.136@91.273,50.034 ; C407.1@89.119,32.034 IC402.172@91.273,32.034 ; C407.1@89.119,32.534 IC402.171@91.273,32.534 ; IC402.15@100.072,28.234 100.072,27.246 100.889,26.429 100.889,26.265 101.144,26.01 C409.1@101.244,26.01 101.573,26.338 v1(101.573,26.741) ; C417.1@101.662,56.388 101.662,56.275 102.072,55.865 IC402.114@102.072,53.334 ; v1(102.794,23.681) C410.1@102.794,24.599 103.584,25.389 103.584,25.71 103.68,25.806 103.68,26.774 104.072,27.166 IC402.23@104.072,28.234 ; C416.1@107.225,56.341 107.225,55.739 107.573,55.392 IC402.103@107.573,53.334 ; IC402.91@113.572,53.334 113.572,54.68 114.05,55.158 114.05,56.046 C415.1@114.293,56.288 ; IC402.49@116.372,32.034 118.458,32.034 118.924,32.5 C405.1@119.024,32.5 ; IC402.62@116.372,38.534 117.374,38.534 117.413,38.495 C412.1@119.024,38.495 ; IC402.72@116.372,43.534 117.374,43.534 117.387,43.521 C413.1@119.024,43.521 ; IC402.82@116.372,48.534 C406.1@119.477,48.534 ; C1803.1@127.551,40.596 IC1801.14@129.966,40.596 ; C1805.1@127.645,50.996 IC1801.1@129.966,50.996
  Top Signal w0.3: v1(86.93,38.01) C421.1@88.011,38.01 ; v1(86.93,42.809) C420.1@88.011,42.809 ; v1(86.93,50.309) C419.1@88.011,50.309 ; 95.072,55.566 v1(95.072,57.099) ; 95.135,55.532 95.572,55.094 IC402.127@95.572,53.334 ; C417.1@101.662,56.388 v1(101.662,57.469) ; C416.1@107.225,56.341 v1(107.225,57.422) ; C415.1@114.293,56.288 v1(114.293,57.369) ; C405.1@119.024,32.5 v1(120.017,32.5) ; C412.1@119.024,38.495 v1(120.017,38.495) ; C413.1@119.024,43.521 v1(120.017,43.521) ; v2(126.409,44.163) C1802.1@127.575,44.163 ; v2(126.549,48.909) C1801.1@127.66,48.909 ; 126.92,48.899 127.742,48.899 128.239,49.396 IC1801.3@129.966,49.396 ; C1802.1@127.445,44.099 127.742,44.099 128.239,44.596 IC1801.9@129.966,44.596 ; C1803.1@127.551,40.596 127.584,40.563 v2(127.584,39.796) ; C1804.1@127.645,30.196 IC1801.27@129.966,30.196 ; C1805.1@127.645,50.996 v2(127.645,52.107) ; IC1801.43@141.466,42.196 C1806.1@143.482,42.196 ; IC1801.49@141.466,46.996 143.188,46.996 143.642,46.542 v2(144.704,46.542) ; C1806.1@143.711,42.114 143.761,42.164 v2(144.805,42.164)
  Top Signal w0.305: IC902.4@47.371,62.298 48.192,62.298 v2@48.26,62.23 ; IC904.1@49.403,62.298 v2(50.292,62.298) ; X403.1@60.465,40.943 60.465,42.549 v2(60.325,42.689) C430.1@61.664,42.689 ; v2(82.867,15.86) C1501.2@84.047,15.86 84.047,14.632 84.406,14.273 IC1501.8@85.409,14.273 ; IC401.3@98.178,15.228 IC401.4@100.577,15.228 100.577,14.826 100.556,14.826 100.261,14.532 C408.1@100.261,13.955 C403.1@100.261,12.526 v2(100.261,11.256) ; C404.1@114.181,21.944 C404.1@114.181,21.844 114.181,21.267 114.511,20.937 v2(114.511,20.835)
  Top Signal w0.4: v1(55.686,60.503) 55.686,61.62 IC1_1.1@56.286,62.22 ; v1(61.143,60.503) 61.143,61.62 IC1_2.1@61.743,62.22 ; v1(66.599,60.503) 66.599,61.62 IC1_3.1@67.199,62.22 ; v1(72.055,60.503) 72.055,61.62 IC1_4.1@72.655,62.22 ; v1(77.511,60.503) 77.511,61.62 IC1_5.1@78.111,62.22 ; v1(82.967,60.503) 82.967,61.62 IC1_6.1@83.567,62.22 ; v2(102.667,71.234) IC1102.16@102.667,72.769 ; v2(109.666,71.234) IC908_1.10@109.666,72.769 ; v1(115.672,21.412) L401.1@115.672,22.754 ; v2(123.266,71.059) IC802.1@123.266,72.593
  Top Signal w0.406: SV1602.3@48.27,33.19 49.487,33.19 50.624,32.053 C1601.1@51.22,32.053
  Top Signal w0.5: IC908_1.16@117.286,72.769 117.286,71.717 117.463,71.54 C907_1.1@117.463,70.561 v1(117.463,69.457)
  Top Signal w0.61: v2(78.74,7.288) 78.834,7.381 R1502.2@78.834,8.558 ; v2(118.427,5.224) 118.427,6.483 118.655,6.711 C2101.2@118.655,7.288
  Bottom Signal w0.61: SV2101.2@116.31,2.73 117.997,2.73 118.427,3.16 v2(118.427,5.224)
  other v2: 48.26,62.298
  other v5: 87.029,32.283
+3.3V_0_IN: C205.1 C206.1 C432.1 IC201.16 IC404.1 IC404.10 L201.2 LED201.2 R202.2 | length 1
  Top Signal w0.152: LED201.2@63.25,48.086 v2(64.294,48.086)
+3.3V_1: C502.1 C503.1 C504.1 C506.1 C507.1 C508.1 C510.1 C513.1 C602.1 C907_2.1 C1603.1 IC501.6 IC501.11 IC501.19 IC501.21 IC501.22 IC501.28 IC501.50 IC501.75 IC501.100 IC601.1 IC601.7 IC903.4 IC905.1 IC908_2.10 IC908_2.16 R302.1 R504.2 R505.2 SV501.1 SV1604.3 T501.2 X501.1 X502.1 | length 58.9
  Top Signal w0.152: v2(15.24,38.403) 15.171,38.334 C503.1@15.171,37.291 15.903,37.291 16.291,36.904 IC501.50@16.543,36.904 ; IC501.28@27.542,36.904 27.542,40.1 27.84,40.398 C506.1@28.416,40.398 29.459,40.398 v2(29.527,40.466) ; v2(28.416,15.384) R505.2@29.471,15.384 ; IC501.19@30.092,32.354 31.084,32.354 31.194,32.464 31.194,33.254 ; IC501.22@30.092,33.854 IC501.21@30.092,33.354 31.094,33.354 31.194,33.254 ; IC501.6@30.293,25.854 31.758,25.854 33.655,23.956 34.925,23.956 35.242,24.274 35.242,25.091 C510.1@35.186,25.147 ; IC501.11@30.293,28.354 31.717,28.354 32.131,27.94 ; v2(32.067,34.434) C502.1@32.067,33.254 31.194,33.254 ; v2(34.131,25.147) 34.2,25.215 C510.1@35.242,25.215 ; v2(35.877,63.028) 35.946,62.959 C602.1@35.946,61.917 35.946,61.34 36.303,60.983 IC601.1@36.303,60.012 ; IC601.7@36.351,52.392 37.624,52.392 37.782,52.233 37.782,50.487 v2(37.465,50.169) ; v2(38.397,75.585) 38.511,75.471 IC903.4@38.511,74.758 ; v2(38.494,71.974) 38.497,71.978 IC905.1@38.497,72.722 ; X502.1@64.535,4.43 64.535,3.575 64.289,3.329 63.5,3.329 63.273,3.102 C513.1@63.273,2.525 v2(64.77,2.525)
  Top Signal w0.203: IC501.100@28.542,21.804 28.996,21.804 29.3,21.5 C508.1@29.3,19.988 29.3,18.945 v2(29.369,18.876) ; 32.131,27.94 33.829,27.94 v2(33.972,28.084) ; v2(33.496,19.591) 33.737,19.35 T501.2@35.758,19.35 36.384,19.35 36.596,19.138 36.596,19.1 R504.2@37.148,19.1
  Top Signal w0.3: v1(4.699,71.999) IC908_2.10@4.699,74.193 ; v1(12.319,70.51) IC908_2.16@12.319,74.193
  Top Signal w0.305: v2(14.922,19.829) 14.922,20.136 14.695,20.363 C507.1@14.695,20.94 14.695,21.517 14.993,21.814 IC501.75@14.993,23.354
  Top Signal w0.61: SV1604.3@8.27,33.19 8.296,33.164 C1603.1@10.705,33.164
+5.0V_0: C207.2 C208.1 C210.1 C213.1 C214.2 C1602.1 C2102.1 IC201.10 IC201.11 IC201.12 IC202.14 LS401.1 pad.DC@151.28,50.907 pad.DC@151.28,51.307 pad.DC@151.68,50.907 pad.DC@151.68,51.307 pad.DC@152.075,50.907 pad.DC@152.075,51.307 pad.DC@152.375,51.619 pad.DC@152.375,52.019 R204.2 R400.2 R416.2 SV1602.4 SV2101.1 | length 13.9
  Top Signal w0.25: IC201.12@153.606,50.972 153.606,51.486 ; IC201.11@154.106,50.972 154.106,51.446 154.146,51.486 ; 154.572,51.446 154.603,51.415 154.603,50.974 IC201.10@154.606,50.972
  Top Signal w0.406: SV1602.4@45.73,33.19 47.026,31.894 49.054,31.894 50.324,30.624 C1602.1@51.345,30.624 51.345,30.047 51.88,29.513 v2(54.134,29.513) ; C2102.1@116.136,7.288 116.136,6.711 116.31,6.537 SV2101.1@116.31,5.27
+5.0V_1: C307.1 C308.1 C310.1 C313.1 C1604.1 IC301.10 IC301.11 IC301.12 IC302.6 R304.2 SV1604.4 | length 45.1
  Top Signal w0.406: C1604.1@3.651,33.095 5.575,33.095 5.7,33.22 SV1604.4@5.73,33.19 ; C1604.1@3.651,33.22 3.651,52.531 4.604,53.325
  Top Signal w1.016: 14.312,57.985 23.234,57.985 23.971,58.723 23.971,66.343 24.924,67.295 28.4,67.295 IC302.6@28.4,67.3
ADC_MCU_0_CH_0: IC402.54 JP2202.7
ADC_MCU_0_CH_1: IC402.55 JP2202.8 | length 0
  Bottom Signal w0.152: JP2202.8@141.35,2.73 JP2202.8@141.352,2.732
ADC_MCU_0_CH_2: IC402.56 JP2202.5
ADC_MCU_0_CH_3: IC402.57 JP2202.6 | length 0
  Bottom Signal w0.152: JP2202.6@143.89,2.73 JP2202.6@143.892,2.732
ADC_MCU_0_CH_4: IC402.41 JP2202.10 | length 53.5
  Top Signal w0.152: v2(113.824,11.891) 114.935,11.891 115.887,10.939 137.001,10.939 140.017,7.923 140.017,3.954 138.81,2.746 JP2202.10@138.81,2.73
  Top Signal w0.2: IC402.41@113.073,28.234 v4(113.073,29.412) v4@113.073,29.52
  Bottom Signal w0.152: v4(113.073,29.412) 113.073,28.278 114.847,26.504 114.847,22.415 113.824,21.392 v2(113.824,11.891)
BMS-INTERFACE_0_GPIO_0: IC402.121 SV1602.11 | length 59.7
  Top Signal w0.152: SV1602.11@48.27,43.35 50.667,43.35 51.117,43.8 51.117,48.721 51.435,49.039 81.439,49.039 v2(82.074,49.674) ; v2(95.726,49.991) 97.155,49.991 98.573,51.409 IC402.121@98.573,53.534
  Bottom Signal w0.152: v2(82.074,49.674) 83.661,51.261 86.716,51.261 86.722,51.256 87.139,51.256 87.145,51.261 94.297,51.261 95.567,49.991 v2(95.726,49.991)
BMS-INTERFACE_0_GPIO_1: IC402.122 SV1602.12 | length 61.5
  Top Signal w0.152: SV1602.12@45.73,43.35 46.974,44.594 50.482,44.594 50.8,44.911 50.8,48.88 51.276,49.356 80.804,49.356 v2(82.074,50.626) ; v2(96.361,50.626) 97.155,50.626 98.072,51.544 IC402.122@98.072,53.534
  Bottom Signal w0.152: v2(82.074,50.626) 83.107,51.659 85.441,51.659 86.182,52.4 93.635,52.4 95.409,50.626 v2(96.361,50.626)